# KiCad board TRX055.01.01.PB.00.00.kicad_pcb
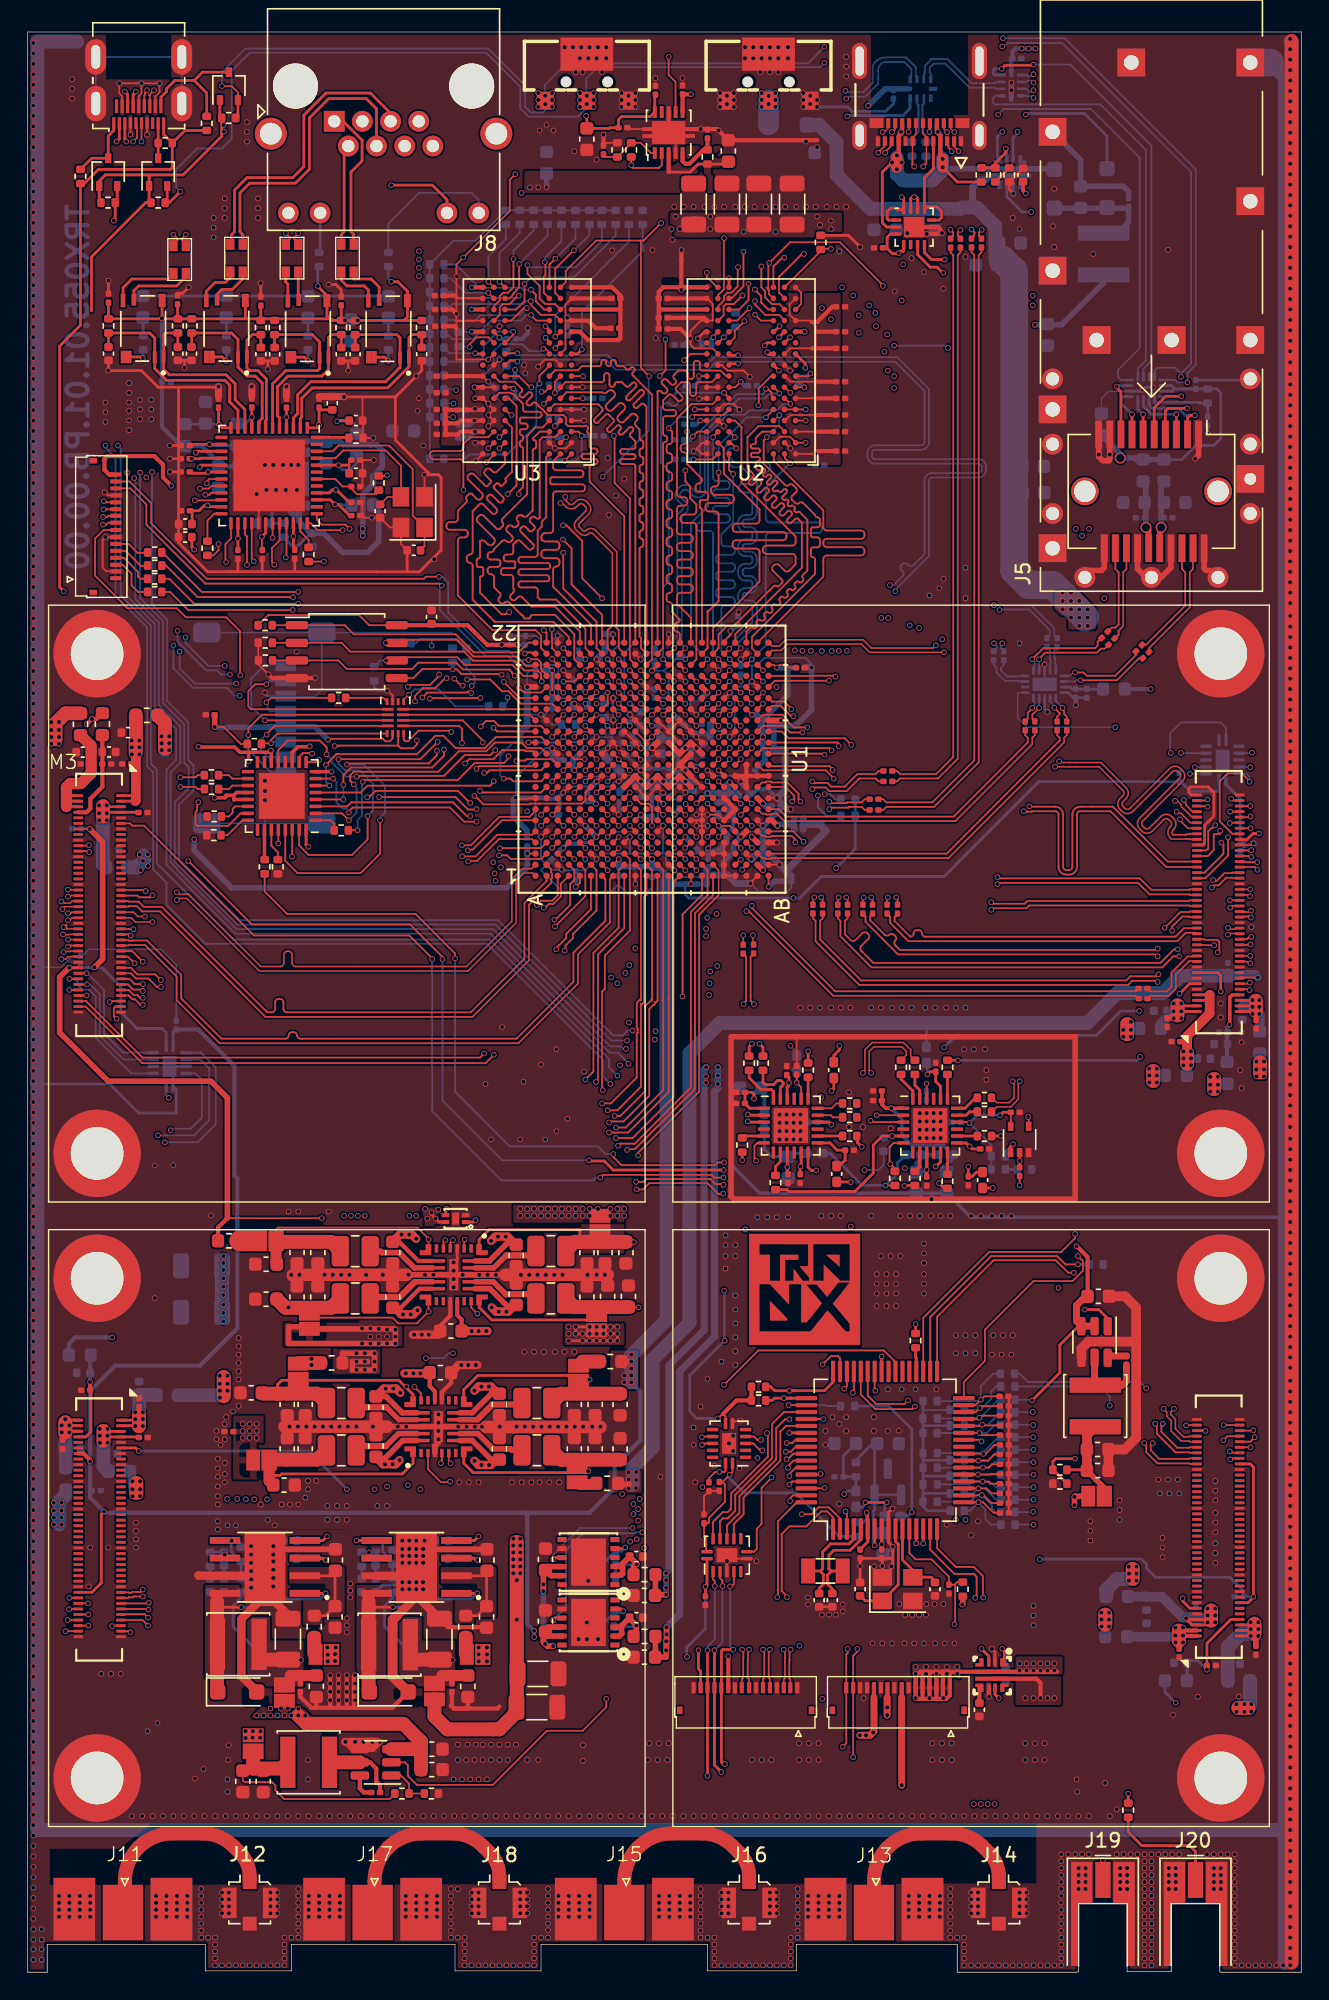
[diagram p0: board, top side]
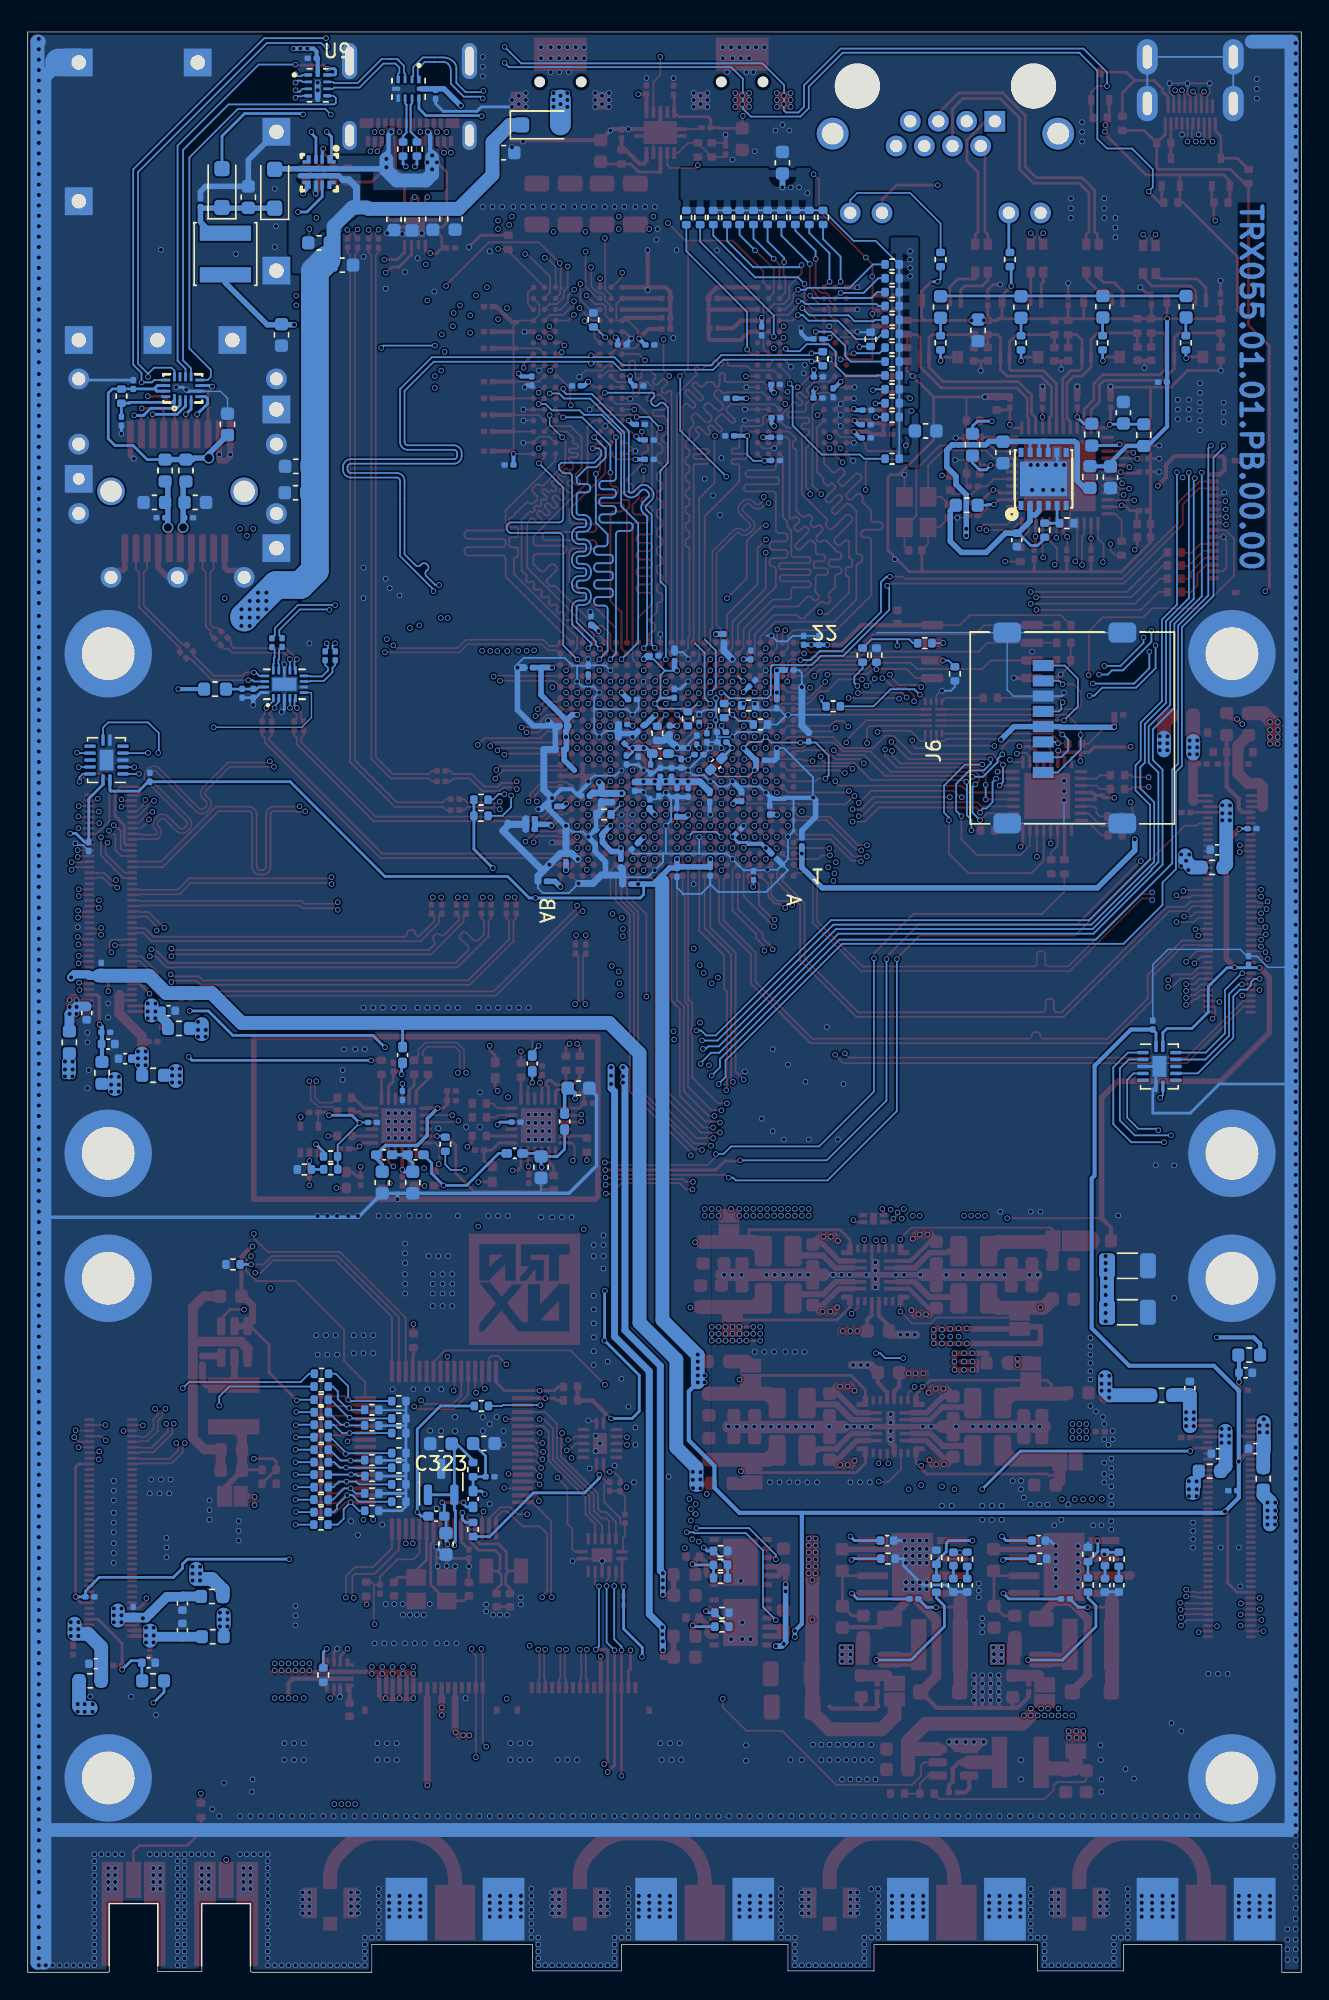
[diagram p1: board, bottom side, seen from below]

Outline 91.8 x 139.8 mm; copper layers: Top, In1.Cu, In2.Cu, In3.Cu, In4.Cu, Bottom. Coordinates in mm from the lower left corner of the outline.
Outline path: 75.75,0.45 75.75,0.05 75.6,0 67,0 67,2 55.4,2 55.4,0.1 49,0.1 49,2 37,2 37,0.1 30.8,0.1 30.8,2 19,2 19,0.1 12.8,0.1 12.8,2 1.4,2 1.4,0 0,0 0,139.8 91.8,139.8 91.8,0 86,0 85.93,0.05 85.93,0.45 ; 79.25,0.45 79.25,0.05 82.43,0.05 82.43,0.45
Stack: Top 0.035mm / dielectric 0.1mm JLC_3313 er 4.1 / In1.Cu 0.0152mm / dielectric 0.5469mm FR4 er 4.5 / In2.Cu 0.0152mm / dielectric 0.1mm JLC_3313 er 4.1 / In3.Cu 0.035mm / dielectric 0.5469mm FR4 er 4.5 / In4.Cu 0.035mm / dielectric 0.1mm FR4 er 4.5 / Bottom 0.035mm

## Placement (name value [footprint] x y rotation side)
C1  10M  [C_0603_1608Metric]  20.91 51.85 270 top
C2  10M  [C_0603_1608Metric]  19.41 51.85 270 top
C3  10M  [C_0603_1608Metric]  20.91 48.65 90 top
C4  10M  [C_0603_1608Metric]  19.41 48.65 90 top
C5  10M  [C_0603_1608Metric]  41.61 51.85 270 top
C6  10M  [C_0603_1608Metric]  40.31 51.85 270 top
C7  10M  [C_0603_1608Metric]  40.31 48.65 90 top
C8  10M  [C_0603_1608Metric]  41.8 48.7 90 top
C9  10M  [C_0603_1608Metric]  17.18 48.5 180 top
C10  10M  [C_0603_1608Metric]  17.18 51.02 180 top
C11  10M  [C_0603_1608Metric]  43.12 51.84 270 top
C12  10M  [C_0603_1608Metric]  43.3 48.7 90 top
C13  10M  [C_0603_1608Metric]  42.7 37.7 90 top
C14  10M  [C_0603_1608Metric]  42.7 40.9 270 top
C15  10M  [C_0603_1608Metric]  18.47 35.1 0 top
C16  10M  [C_0603_1608Metric]  16.1 41.75 180 top
C17  10M  [C_0603_1608Metric]  40.9 37.71 90 top
C18  10M  [C_0603_1608Metric]  40.9 40.91 270 top
C19  10M  [C_0603_1608Metric]  20 37.71 90 top
C20  10M  [C_0603_1608Metric]  18.7 40.91 270 top
C21  10M  [C_0603_1608Metric]  39.4 37.71 90 top
C22  10M  [C_0603_1608Metric]  39.4 40.91 270 top
C23  10M  [C_0603_1608Metric]  18.7 37.71 90 top
C24  10M  [C_0603_1608Metric]  20 40.91 270 top
C25  1M  [C_0402_1005Metric]  29.11 97.64 90 top
C26  M1  [C_0201_0603Metric]  37.8 91.39 270 bottom
C27  M1  [C_0201_0603Metric]  36.91 93.82 180 bottom
C28  M1  [C_0201_0603Metric]  48.05 85.43 270 bottom
C29  M1  [C_0201_0603Metric]  43.58 88.78 90 bottom
C30  M1  [C_0201_0603Metric]  46.3 85.05 270 bottom
C31  M1  [C_0201_0603Metric]  46.2 86.45 90 bottom
C32  M1  [C_0201_0603Metric]  45.4 86.45 90 bottom
C33  M1  [C_0201_0603Metric]  45 85 270 bottom
C34  M1  [C_0201_0603Metric]  44.2 85 270 bottom
C35  M1  [C_0201_0603Metric]  42.64 84.64 270 bottom
C36  M1  [C_0201_0603Metric]  47.8 87.9 270 bottom
C37  M1  [C_0201_0603Metric]  48.65 87.35 270 bottom
C38  M1  [C_0201_0603Metric]  46.9 86.7 270 bottom
C39  M1  [C_0201_0603Metric]  49 88.75 45 bottom
C40  M1  [C_0201_0603Metric]  55.58 82.35 0 bottom
C41  M1  [C_0201_0603Metric]  54.7 78.6 0 bottom
C42  M1  [C_0201_0603Metric]  53 80.3 90 bottom
C43  M1  [C_0201_0603Metric]  55.57 83.1 0 bottom
C44  M1  [C_0201_0603Metric]  53.95 84 0 bottom
C45  M1  [C_0201_0603Metric]  49.68 84.62 270 bottom
C46  M1  [C_0201_0603Metric]  50.45 84.65 270 bottom
C47  M1  [C_0201_0603Metric]  50.61 82.11 46 bottom
C48  M1  [C_0201_0603Metric]  49.05 79.91 270 bottom
C49  M1  [C_0201_0603Metric]  51.59 84.77 0 bottom
C50  M1  [C_0201_0603Metric]  41.76 88.64 0 bottom
C51  M1  [C_0201_0603Metric]  41.8 89.34 0 bottom
C52  M1  [C_0201_0603Metric]  47.63 89.62 315 bottom
C53  M1  [C_0201_0603Metric]  48.89 89.91 0 bottom
C54  M1  [C_0201_0603Metric]  45.55 89.5 270 bottom
C55  M1  [C_0201_0603Metric]  42.84 88.95 270 bottom
C56  M1  [C_0201_0603Metric]  43.4 90.35 90 bottom
C57  M1  [C_0201_0603Metric]  35.5 89 90 bottom
C58  M1  [C_0201_0603Metric]  38.98 87.32 180 bottom
C59  M1  [C_0201_0603Metric]  35.87 95.97 90 bottom
C60  M1  [C_0201_0603Metric]  34.78 95.96 90 bottom
C61  M1  [C_0201_0603Metric]  51.2 97.39 90 bottom
C62  M1  [C_0201_0603Metric]  46.65 94.85 180 bottom
C63  M1  [C_0201_0603Metric]  45.18 94.79 90 bottom
C64  M1  [C_0201_0603Metric]  41.62 96.1 270 bottom
C65  M1  [C_0201_0603Metric]  39.68 94.91 90 bottom
C66  M1  [C_0201_0603Metric]  41.2 110.7 0 bottom
C67  M1  [C_0201_0603Metric]  37.9 108.92 180 bottom
C68  M1  [C_0201_0603Metric]  39.59 92.86 135 bottom
C69  M1  [C_0201_0603Metric]  45.19 92.14 90 bottom
C70  M1  [C_0201_0603Metric]  40.57 82.2 135 bottom
C71  M1  [C_0201_0603Metric]  37.98 80.4 225 bottom
C72  M1  [C_0201_0603Metric]  36 81.44 90 bottom
C73  M1  [C_0201_0603Metric]  40.35 84.7 90 bottom
C74  M1  [C_0201_0603Metric]  38.31 83.73 90 bottom
C75  M1  [C_0201_0603Metric]  39.49 79.01 90 bottom
C76  M1  [C_0201_0603Metric]  48.6 78.4 0 bottom
C77  M1  [C_0201_0603Metric]  45 79.25 270 bottom
C78  M1  [C_0201_0603Metric]  42.61 79.32 270 bottom
C79  M1  [C_0201_0603Metric]  46.95 84.19 90 bottom
C80  M1  [C_0201_0603Metric]  48.04 81.13 315 bottom
C81  M1  [C_0201_0603Metric]  45.02 83.57 90 bottom
C82  M1  [C_0201_0603Metric]  55.7 94 0 top
C83  M1  [C_0201_0603Metric]  51.4 93.82 90 bottom
C84  M1  [C_0201_0603Metric]  53.45 88.1 0 bottom
C85  M1  [C_0201_0603Metric]  55.7 94 0 bottom
C86  M1  [C_0201_0603Metric]  53.15 89.8 0 bottom
C87  M1  [C_0201_0603Metric]  48.2 91.7 180 bottom
C88  M1  [C_0201_0603Metric]  61 83.74 180 top
C89  M1  [C_0201_0603Metric]  61 84.52 180 top
C90  M1  [C_0201_0603Metric]  72.6 89.8 270 top
C91  M1  [C_0201_0603Metric]  71.9 89.8 270 top
C92  M1  [C_0201_0603Metric]  62.7 76.6 90 top
C93  M1  [C_0201_0603Metric]  61.95 76.6 90 top
C94  M1  [C_0201_0603Metric]  60.9 76.6 90 top
C95  M1  [C_0201_0603Metric]  60.2 76.6 90 top
C96  M1  [C_0201_0603Metric]  74.9 89.8 270 top
C97  M1  [C_0201_0603Metric]  74.2 89.8 270 top
C98  M1  [C_0201_0603Metric]  62 85.8 180 top
C99  M1  [C_0201_0603Metric]  62 86.55 180 top
C100  M1  [C_0201_0603Metric]  59.1 76.6 90 top
C101  M1  [C_0201_0603Metric]  58.39 76.6 90 top
C102  M1  [C_0201_0603Metric]  56.6 76.6 90 top
C103  M1  [C_0201_0603Metric]  57.3 76.6 90 top
C104  M1  [C_0201_0603Metric]  80.4 70.15 180 top
C105  M1  [C_0201_0603Metric]  51.58 73.71 90 top
C106  M1  [C_0201_0603Metric]  80.4 70.88 180 top
C107  M1  [C_0201_0603Metric]  52.33 73.72 90 top
C108  10P  [C_0402_1005Metric]  27.83 102.45 180 top
C109  10P  [C_0402_1005Metric]  25.4 105.28 270 top
C110  M1  [C_0201_0603Metric]  23.65 107.05 0 top
C111  10M  [C_0603_1608Metric]  35.21 51.65 270 top
C112  M1  [C_0201_0603Metric]  23.65 108.95 0 top
C113  1M  [C_0402_1005Metric]  23.65 108 0 top
C114  1M  [C_0402_1005Metric]  23.65 111.8 0 top
C115  M1  [C_0201_0603Metric]  18.65 113.05 90 top
C116  M1  [C_0201_0603Metric]  16.15 113.07 90 top
C117  1M  [C_0402_1005Metric]  11.35 104.35 180 top
C118  M1  [C_0201_0603Metric]  15.15 102.15 270 top
C119  M1  [C_0201_0603Metric]  11.37 105.3 180 top
C120  M1  [C_0201_0603Metric]  11.35 110 180 top
C121  M1  [C_0201_0603Metric]  16.9 102.15 270 top
C122  M1  [C_0201_0603Metric]  11.35 108.1 180 top
C123  M1  [C_0201_0603Metric]  23.65 104.95 0 top
C124  1M  [C_0402_1005Metric]  21.95 113.05 90 top
C125  M1  [C_0201_0603Metric]  13.75 113.05 90 top
C126  M1  [C_0201_0603Metric]  21 113.05 90 top
C127  1M  [C_0402_1005Metric]  11.35 103.4 180 top
C128  M1  [C_0201_0603Metric]  23.65 105.9 0 top
C129  M1  [C_0201_0603Metric]  19.25 102.17 270 top
C130  M1  [C_0201_0603Metric]  11.35 109.05 180 top
C131  10P  [C_0402_1005Metric]  5.82 116.62 270 top
C132  10P  [C_0402_1005Metric]  10.82 116.62 270 top
C133  M1  [C_0201_0603Metric]  5.82 120.62 90 top
C134  1N  [C_0603_1608Metric]  8.3 120 90 bottom
C135  10P  [C_0402_1005Metric]  11.8 116.62 270 top
C136  10P  [C_0402_1005Metric]  16.8 116.58 270 top
C137  M1  [C_0201_0603Metric]  10.8 120.5 90 top
C138  1N  [C_0603_1608Metric]  14.3 120 90 bottom
C139  10P  [C_0402_1005Metric]  17.8 116.58 270 top
C140  10P  [C_0402_1005Metric]  22.6 116.58 270 top
C141  M1  [C_0201_0603Metric]  16.8 120.4 90 top
C142  1N  [C_0603_1608Metric]  20.2 119.97 90 bottom
C143  10P  [C_0402_1005Metric]  23.6 116.58 270 top
C144  10P  [C_0402_1005Metric]  28.4 116.58 270 top
C145  M1  [C_0201_0603Metric]  22.6 120.42 90 top
C146  1N  [C_0603_1608Metric]  26 119.97 90 bottom
C147  M1  [C_0201_0603Metric]  47.2 135.62 90 top
C148  10M  [C_0603_1608Metric]  27.07 111.05 180 bottom
C149  10M  [C_0603_1608Metric]  50.5 131.22 90 top
C150  10M  [C_0603_1608Metric]  37.4 130.38 90 bottom
C151  M1  [C_0201_0603Metric]  41.5 131.3 90 top
C152  M1  [C_0201_0603Metric]  49 132.45 90 top
C153  M1  [C_0201_0603Metric]  42.9 132.9 0 top
C154  10M  [C_0603_1608Metric]  40.3 132.07 270 top
C155  10M  [C_0603_1608Metric]  25.1 37.91 90 top
C156  10M  [C_0603_1608Metric]  35.21 48.85 90 top
C157  10M  [C_0603_1608Metric]  25.1 40.71 270 top
C158  10M  [C_0603_1608Metric]  26.31 48.65 90 top
C159  10M  [C_0603_1608Metric]  34 40.91 270 top
C160  10M  [C_0603_1608Metric]  30.5 46.2 180 top
C161  10M  [C_0603_1608Metric]  34 37.71 90 top
C162  10M  [C_0603_1608Metric]  26.31 51.85 270 top
C163  10M  [C_0603_1608Metric]  29.75 43.2 0 top
C164  10M  [C_0603_1608Metric]  54.8 58 270 bottom
C165  10M  [C_0603_1608Metric]  52.1 63.7 180 bottom
C166  M1  [C_0201_0603Metric]  54.8 57.18 270 top
C167  M1  [C_0201_0603Metric]  51.38 62.6 180 top
C168  M1  [C_0201_0603Metric]  51.38 63.4 180 top
C169  10M  [C_0603_1608Metric]  64.05 56.9 270 bottom
C170  M1  [C_0201_0603Metric]  64.8 57 270 top
C171  10M  [C_0603_1608Metric]  66.25 56.9 270 bottom
C172  M1  [C_0201_0603Metric]  61.25 63.5 180 top
C173  M1  [C_0201_0603Metric]  61.25 62.8 180 top
C174  10M  [C_0603_1608Metric]  61.65 30.86 270 bottom
C175  M1  [C_0201_0603Metric]  61.55 30.14 270 top
C176  10M  [C_0603_1608Metric]  58.92 38.1 180 bottom
C177  M1  [C_0201_0603Metric]  58.47 35.7 180 bottom
C178  M1  [C_0201_0603Metric]  10 114.57 0 bottom
C179  M1  [C_0201_0603Metric]  60 30.14 270 top
C180  10P  [C_0402_1005Metric]  60 27.6 90 top
C181  10P  [C_0402_1005Metric]  65.4 27.6 270 top
C182  10P  [C_0402_1005Metric]  58 26.81 270 top
C183  10P  [C_0402_1005Metric]  57.05 26.81 270 top
C184  M1  [C_0201_0603Metric]  43.41 87.72 180 bottom
C185  M1  [C_0201_0603Metric]  44.7 87.09 270 bottom
C186  1M  [C_0402_1005Metric]  81.65 69.28 180 bottom
C187  M1  [C_0201_0603Metric]  82.13 68.43 270 top
C188  1M  [C_0402_1005Metric]  80.65 24.66 90 bottom
C189  M1  [C_0201_0603Metric]  83 23 270 top
C190  1M  [C_0402_1005Metric]  7.23 89.32 180 top
C191  M1  [C_0201_0603Metric]  7.13 87.06 180 top
C192  1M  [C_0402_1005Metric]  8.03 42.08 90 bottom
C193  M1  [C_0201_0603Metric]  8.03 41.04 90 top
C194  1M  [C_0402_1005Metric]  87.55 69.11 270 bottom
C195  M1  [C_0201_0603Metric]  88.55 68.3 270 top
C196  1M  [C_0402_1005Metric]  86.91 22.22 0 bottom
C197  M1  [C_0201_0603Metric]  88.53 23.2 270 top
C198  1M  [C_0402_1005Metric]  3.97 87.91 180 top
C199  M1  [C_0201_0603Metric]  4.13 87.06 180 top
C200  1M  [C_0402_1005Metric]  3.32 37.73 0 bottom
C201  M1  [C_0201_0603Metric]  2.52 38.03 270 top
C202  1M  [C_0402_1005Metric]  86 66.88 180 bottom
C203  M1  [C_0201_0603Metric]  86.18 67.72 180 bottom
C204  1M  [C_0402_1005Metric]  83.09 22.3 180 bottom
C205  M1  [C_0201_0603Metric]  85.32 22.1 0 top
C206  1M  [C_0402_1005Metric]  5.86 87.92 0 top
C207  M1  [C_0201_0603Metric]  5.7 87.06 0 top
C208  1M  [C_0402_1005Metric]  4.01 43.19 180 bottom
C209  M1  [C_0201_0603Metric]  4.17 41.94 180 top
C210  1M  [C_0402_1005Metric]  84.78 65.83 0 bottom
C211  M1  [C_0201_0603Metric]  82.78 67.05 180 top
C212  1M  [C_0402_1005Metric]  80.65 26.57 270 bottom
C213  M1  [C_0201_0603Metric]  84.2 26 90 bottom
C214  1M  [C_0402_1005Metric]  6.08 80.87 0 bottom
C215  M1  [C_0201_0603Metric]  8.31 83.56 0 top
C216  1M  [C_0402_1005Metric]  6 37.36 0 bottom
C217  M1  [C_0201_0603Metric]  8.33 38.53 0 top
C218  M1  [C_0201_0603Metric]  86.5 72.4 90 bottom
C219  M1  [C_0201_0603Metric]  83 86.1 90 bottom
C220  M1  [C_0201_0603Metric]  3.8 72.9 90 bottom
C221  M1  [C_0201_0603Metric]  87.32 27.05 180 bottom
C222  M1  [C_0201_0603Metric]  87.4 81.11 270 bottom
C223  M1  [C_0201_0603Metric]  10.7 68.25 90 bottom
C224  M1  [C_0201_0603Metric]  3.55 82.4 180 bottom
C225  M1  [C_0201_0603Metric]  4.94 34.7 0 bottom
C226  M1  [C_0201_0603Metric]  71.3 137.9 0 bottom
C227  10M  [C_0603_1608Metric]  79.72 105.9 180 bottom
C228  M1  [C_0201_0603Metric]  80.2 104.8 180 bottom
C229  10M  [C_0603_1608Metric]  82.68 105.9 0 bottom
C230  M1  [C_0201_0603Metric]  82.2 104.8 0 bottom
C231  10M  [C_0603_1608Metric]  77.4 111.53 90 bottom
C232  M1  [C_0201_0603Metric]  62.4 135.3 270 bottom
C233  10M  [C_0603_1608Metric]  22.17 29.7 90 top
C234  10M  [C_0603_1608Metric]  22.15 25.6 270 top
C235  M1  [C_0201_0603Metric]  17 26.9 180 bottom
C236  M1  [C_0201_0603Metric]  19.65 20.5 270 top
C237  10P  [C_0402_1005Metric]  14.15 29.78 270 bottom
C238  100M  [C_1206_3216Metric]  18.75 24 90 top
C239  10M  [C_0603_1608Metric]  20.8 20.6 270 top
C240  1M  [C_0402_1005Metric]  43.87 29.95 0 top
C241  10P  [C_0402_1005Metric]  14.15 27.88 270 bottom
C242  10N (DNP)  [C_0402_1005Metric]  18.93 31.1 180 bottom
C243  10P  [C_0402_1005Metric]  13.15 27.88 270 bottom
C244  1M  [C_0402_1005Metric]  43.87 25.55 0 top
C245  10M  [C_0603_1608Metric]  44.44 27.15 180 top
C246  10M  [C_0603_1608Metric]  44.44 22.7 180 top
C247  10M  [C_0603_1608Metric]  37.32 25.3 90 top
C248  10M  [C_0603_1608Metric]  37.32 29.75 90 top
C249  10M  [C_0603_1608Metric]  33.08 25.6 270 top
C250  10M  [C_0603_1608Metric]  33.1 29.7 90 top
C251  10N (DNP)  [C_0402_1005Metric]  29.86 31.1 180 bottom
C252  10P  [C_0402_1005Metric]  24.08 27.88 270 bottom
C253  M1  [C_0201_0603Metric]  27.92 26.9 180 bottom
C254  10P  [C_0402_1005Metric]  25.08 29.78 270 bottom
C255  10P  [C_0402_1005Metric]  25.08 27.88 270 bottom
C256  100M  [C_1206_3216Metric]  29.67 24 90 top
C257  10M  [C_0603_1608Metric]  31.72 20.6 270 top
C258  M1  [C_0201_0603Metric]  30.58 20.5 270 top
C259  M1  [C_0201_0603Metric]  78.13 95.87 226 top
C260  M1  [C_0201_0603Metric]  77.63 96.37 226 top
C261  M1  [C_0201_0603Metric]  80.1 95.4 226 top
C262  M1  [C_0201_0603Metric]  80.6 94.9 225 top
C263  M1  [C_0201_0603Metric]  73.47 95.81 90 bottom
C264  M1  [C_0201_0603Metric]  70.36 94.85 90 bottom
C265  M1  [C_0201_0603Metric]  74.2 95.8 90 bottom
C266  M1  [C_0201_0603Metric]  69.63 94.85 90 bottom
C267  M1  [C_0201_0603Metric]  66.52 124.58 90 top
C268  M1  [C_0201_0603Metric]  67.23 124.58 90 top
C269  M1  [C_0201_0603Metric]  68.03 124.59 90 top
C270  M1  [C_0201_0603Metric]  68.75 124.59 90 top
C271  M1  [C_0201_0603Metric]  75.55 92.15 270 bottom
C272  M1  [C_0201_0603Metric]  76.35 92.15 270 bottom
C273  M1  [C_0201_0603Metric]  84.2 114.4 90 bottom
C274  M1  [C_0201_0603Metric]  85.05 111.75 270 bottom
C275  M1  [C_0201_0603Metric]  14.5 38.95 0 top
C276  M1  [C_0201_0603Metric]  13.15 90.6 0 top
C277  M1  [C_0201_0603Metric]  61.32 124.24 0 top
C278  M1  [C_0201_0603Metric]  45.25 135.6 270 top
C279  Cap  [C_0402_1005Metric]  71.75 129.5 90 top
C280  Cap  [C_0402_1005Metric]  68.6 18.91 270 top
C281  M1  [C_0201_0603Metric]  79.2 44.08 270 top
C282  10M  [C_0603_1608Metric]  77.12 37.66 0 top
C283  10M  [C_0603_1608Metric]  77.12 36.15 0 top
C284  10M  [C_0603_1608Metric]  73.51 117.97 270 bottom
C285  10M  [C_0603_1608Metric]  77.18 48.7 0 top
C286  10M  [C_0603_1608Metric]  75.9 127.9 90 bottom
C287  M1  [C_0201_0603Metric]  79.35 127.5 270 bottom
C288  10M  [C_0603_1608Metric]  21.5 109.5 270 bottom
C289  1M  [C_0402_1005Metric]  20.5 103.2 270 bottom
C290  M1  [C_0201_0603Metric]  48.85 26.77 270 top
C291  M1  [C_0201_0603Metric]  48.75 32.67 90 top
C292  M1  [C_0201_0603Metric]  49.85 35 270 top
C293  M1  [C_0201_0603Metric]  49.1 34.98 270 top
C294  M1  [C_0201_0603Metric]  66.4 27.6 270 top
C295  M1  [C_0201_0603Metric]  70.4 33.1 0 top
C296  M1  [C_0201_0603Metric]  70.4 33.8 0 top
C297  M1  [C_0201_0603Metric]  70.4 34.5 0 top
C298  M1  [C_0201_0603Metric]  70.4 35.2 0 top
C299  M1  [C_0201_0603Metric]  70.4 35.9 0 top
C300  M1  [C_0201_0603Metric]  70.4 36.6 0 top
C301  M1  [C_0201_0603Metric]  70.4 37.3 0 top
C302  M1  [C_0201_0603Metric]  70.4 38 0 top
C303  M1  [C_0201_0603Metric]  70.4 38.7 0 top
C304  M1  [C_0201_0603Metric]  70.4 39.4 0 top
C305  M1  [C_0201_0603Metric]  70.4 40.1 0 top
C306  M1  [C_0201_0603Metric]  70.4 40.8 0 top
C307  M1  [C_0201_0603Metric]  70.38 41.5 0 top
C308  M1  [C_0201_0603Metric]  66.95 61.23 180 bottom
C309  M1  [C_0201_0603Metric]  64.79 63.17 270 bottom
C310  10M  [C_0603_1608Metric]  29.12 14.6 0 top
C311  10M  [C_0603_1608Metric]  29.12 16.07 0 top
C312  M1  [C_0201_0603Metric]  25.08 12.95 0 top
C313  10M  [C_0603_1608Metric]  16.97 13.75 270 top
C314  10M  [C_0603_1608Metric]  15.5 13.75 270 top
C315  M1  [C_0201_0603Metric]  54.71 64.97 90 top
C316  M1  [C_0201_0603Metric]  56.6 61.25 180 bottom
C317  M1  [C_0201_0603Metric]  55.43 65 90 top
C318  M1  [C_0201_0603Metric]  59.24 59.23 0 top
C319  M1  [C_0201_0603Metric]  65.45 65.2 90 top
C320  M1  [C_0201_0603Metric]  68.99 59.32 0 top
C321  M1  [C_0201_0603Metric]  67.8 57.02 270 top
C322  M1  [C_0201_0603Metric]  55.68 57.17 270 top
C323  10M  [C_0603_1608Metric]  62.02 38.08 0 bottom
C324  10M  [C_0603_1608Metric]  13.75 107.72 270 bottom
C325  10M  [C_0603_1608Metric]  12.82 112.37 90 bottom
C326  10M  [C_0603_1608Metric]  23.3 118.3 270 bottom
C327  M1  [C_0201_0603Metric]  55.47 114.66 270 bottom
C328  M1  [C_0201_0603Metric]  48.95 117.26 180 bottom
C329  M1  [C_0201_0603Metric]  34.81 114.95 180 bottom
C330  M1  [C_0201_0603Metric]  34.85 117.68 0 bottom
C331  M1  [C_0201_0603Metric]  58.6 117 0 top
C332  M1  [C_0201_0603Metric]  58.6 120 0 top
C333  M1  [C_0201_0603Metric]  58.6 113.4 0 top
C334  M1  [C_0201_0603Metric]  58.6 118.2 0 top
C335  M1  [C_0201_0603Metric]  58.6 114.6 0 top
C336  M1  [C_0201_0603Metric]  58.6 112.2 0 top
C337  M1  [C_0201_0603Metric]  58.6 111 0 top
C338  M1  [C_0201_0603Metric]  58.6 109.6 0 top
C339  M1  [C_0201_0603Metric]  29.66 120.8 180 top
C340  M1  [C_0201_0603Metric]  45.8 119.2 180 top
C341  M1  [C_0201_0603Metric]  45.8 120.6 180 top
C342  M1  [C_0201_0603Metric]  42.32 118.45 0 top
C343  M1  [C_0201_0603Metric]  42.4 120.6 0 top
C344  M1  [C_0201_0603Metric]  29.68 119.8 180 top
C345  M1  [C_0201_0603Metric]  29.68 118.6 180 top
C346  M1  [C_0201_0603Metric]  45.8 118.4 180 top
C347  M1  [C_0201_0603Metric]  46.95 117.25 180 bottom
C348  M1  [C_0201_0603Metric]  31.36 111.5 180 bottom
C349  M1  [C_0201_0603Metric]  41.1 113.4 0 bottom
C350  M1  [C_0201_0603Metric]  52.25 114.3 0 bottom
C351  M1  [C_0201_0603Metric]  33.75 113.8 270 bottom
C352  M1  [C_0201_0603Metric]  31.3 112.55 180 bottom
C353  M1  [C_0201_0603Metric]  47 110.4 180 bottom
C354  M1  [C_0201_0603Metric]  47.64 111.52 180 bottom
C355  M1  [C_0201_0603Metric]  57.11 108.6 0 bottom
C356  M1  [C_0201_0603Metric]  47.75 114.3 180 bottom
C357  M1  [C_0201_0603Metric]  37.9 114.4 180 bottom
C358  M1  [C_0201_0603Metric]  37.86 112 180 bottom
C359  M1  [C_0201_0603Metric]  38.9 118.25 270 bottom
C360  M1  [C_0201_0603Metric]  31.36 110.55 180 bottom
C361  M1  [C_0201_0603Metric]  34.84 113.43 180 bottom
C362  M1  [C_0201_0603Metric]  47 109 180 bottom
C363  M1  [C_0201_0603Metric]  29.8 115 180 top
C364  M1  [C_0201_0603Metric]  29.8 112.6 180 top
C365  M1  [C_0201_0603Metric]  29.8 111.6 180 top
C366  M1  [C_0201_0603Metric]  29.8 110.8 180 top
C367  M1  [C_0201_0603Metric]  37.9 110.59 180 bottom
C368  M1  [C_0201_0603Metric]  29.8 113.8 180 top